# Allegro board parallella_layout.brd (continued)
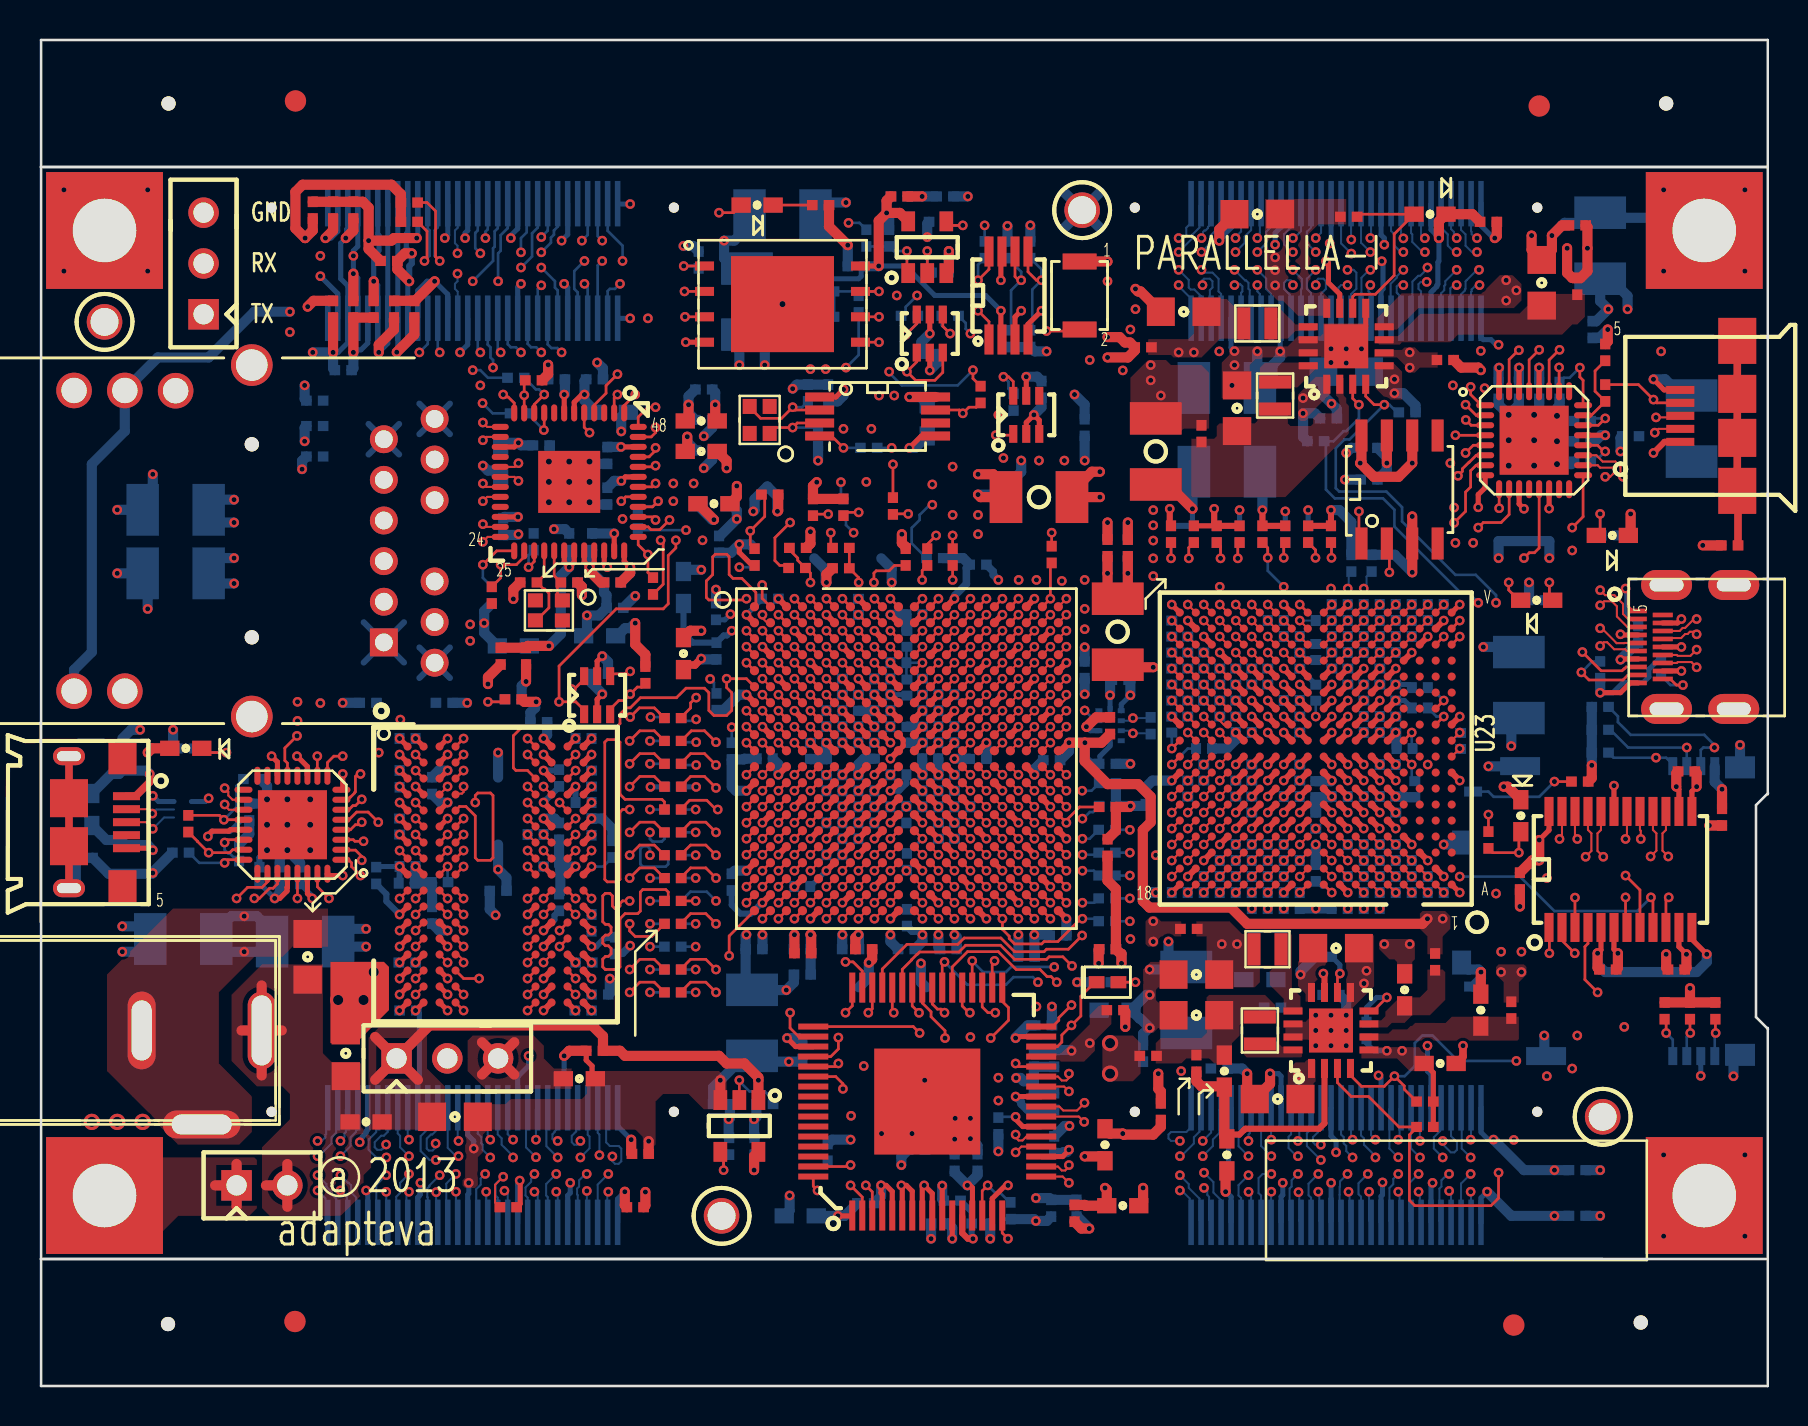
[diagram p0: board, top side]
## Copper pours and planes (outline as drawn; the poured copper is in the pictures) (continued)
1P0V_FLTR_PHY on L5_SIG: 32.69,48.82 31.55,48.82 31.17,49.2 30.53,49.2 30.28,48.95 27.49,48.95 26.85,49.58 26.85,49.83 26.6,50.09 25.96,50.09 25.71,49.83 25.71,48.06 27.23,46.53 27.23,43.74 28.76,42.21 28.76,40.82 28.63,40.69 27.99,40.69 27.87,40.82 27.87,41.2 25.71,43.36 25.71,46.02 24.31,47.42 24.31,49.96 25.07,50.72 25.58,50.72 25.96,51.1 30.03,51.1 30.66,50.47 30.66,50.42 31.04,50.04 32.18,50.04 32.82,49.4 32.82,48.95
1P8V on TOP: 55.81,23.5 56.06,23.24 57.08,23.24 57.08,22.48 56.06,22.48 55.93,22.35 55.93,22.1 55.81,21.97 55.43,21.97 55.3,22.1 55.3,23.24 55.55,23.5
1P8V on BOTTOM: 28.88,38.53 29.77,38.53 29.9,38.4 29.9,36.25 28.63,34.98 28.63,34.72 28.37,34.47 27.87,34.47 25.96,36.37 22.91,36.37 22.15,35.61 22.15,34.98 22.28,34.85 22.66,34.85 23.55,35.74 24.56,35.74 25.33,34.98 25.33,34.09 26.22,33.2 28.76,33.2 29.26,33.71 30.03,33.71 31.55,35.23 31.55,39.29 30.91,39.93 29.77,39.93 29.26,39.42 28.88,39.42
1P8V on L6_PWR: 68.38,45.26 69.52,44.12 75.57,44.12 75.75,43.94 75.75,35.81 72.32,35.81 72.32,32 73.33,30.99 75.75,30.99 75.75,20.7 75.11,20.07 65.97,20.07 65.97,21.59 65.59,21.97 62.28,21.97 62.28,7.11 39.04,7.11 39.04,11.56 40.19,12.7 41.07,12.7 42.34,11.43 43.36,11.43 43.74,11.05 49.33,11.05 49.46,11.18 57.08,11.18 57.2,11.3 57.2,12.45 57.33,12.57 57.33,13.34 57.84,13.84 57.84,18.29 56.06,20.07 56.06,20.7 55.43,21.34 55.43,24.26 56.06,24.89 57.58,24.89 58.47,25.78 58.47,37.47 56.63,39.31 55.3,39.31 55.3,45.26
1P8V on L7_PWR: 79.05,41.33 85.65,41.33 85.65,60.12 0.82,60.12 0.82,23.67 14.66,23.67 15.8,24.82 15.8,48.89 14.15,50.55 13.01,50.55 11.74,51.82 11.74,54.74 18.6,54.74 19.48,53.85 19.48,38.91 20.12,38.28 26.6,38.28 27.36,37.52 34.09,37.52 34.34,37.77 34.34,42.09 34.47,42.21 35.11,42.21 35.23,42.34 35.23,43.99 35.11,44.12 34.47,44.12 34.09,44.5 34.09,56.31 40.69,56.31 41.2,56.82 42.34,56.82 43.87,55.3 43.87,52.5 44.63,51.74 44.63,47.29 44.12,46.79 41.96,46.79 41.58,46.41 41.58,44.12 41.96,43.74 43.61,43.74 44,43.36 44,39.42 43.74,39.17 42.34,39.17 41.96,38.79 41.96,36.12 41.84,35.99 40.69,35.99 40.31,35.61 40.31,29.77 41.2,28.88 41.2,27.61 42.09,26.72 44.76,26.72 44.76,29.46 44.38,29.84 44.38,30.99 44,31.37 44,32.38 44.38,32.77 44.38,33.15 44,33.53 44,34.67 44.81,35.48 48.69,35.48 48.82,35.61 48.82,39.29 48.95,39.42 52.12,39.42 52.5,39.8 52.5,41.27 51.87,41.91 51.87,44.32 52.12,44.58 52.76,44.58 52.82,44.51 52.89,44.58 54.41,44.58 54.41,51.43 54.92,51.94 56.06,51.94 56.44,51.56 66.6,51.56 70.28,47.88 70.28,47.37 70.41,47.24 70.41,40.89 79.05,40.89
1P8V_FLTR_PHY on L5_SIG: 32.69,47.55 32.69,47.29 31.68,46.28 30.66,46.28 29.39,45.01 28.25,45.01 27.87,45.39 27.87,46.41 25.96,48.31 25.96,49.71 26.09,49.83 26.34,49.83 26.6,49.58 26.6,49.45 27.36,48.69 29.77,48.69 30.66,47.8 32.44,47.8
1P35V on L6_PWR: 16.56,52.5 42.29,52.5 42.34,52.45 43.49,52.45 44,52.96 49.84,52.96 50.6,53.72 55.04,53.72 55.04,50.04 50.09,50.04 43.13,43.08 43.08,43.08 41.58,41.58 41.58,36.37 39.68,36.37 39.17,35.86 39.17,26.54 38.03,25.4 38.03,24.82 37.52,24.31 34.6,24.31 33.58,23.29 33.58,18.54 27.36,18.54 26.98,18.92 18.85,18.92 18.34,18.41 17.71,18.41 17.71,50.29 16.56,51.43
1P35V on L7_PWR: 34.34,31.8 34.09,32.05 34.09,32.44 34.34,32.69 34.34,35.1 16.18,35.1 16.18,24.43 15.04,23.29 0.82,23.29 0.82,7.16 34.47,7.16 34.34,7.29
2P5V on TOP: 69.4,22.48 69.4,21.59 70.16,21.59 70.16,22.48 70.54,22.86 70.54,23.5 70.28,23.75 69.14,23.75 69.01,23.62 69.01,22.86
2P5V on BOTTOM: 50.85,45.72 50.85,43.18 52,42.04 54.66,42.04 54.66,43.43 54.28,43.81 52.76,43.81 52.5,44.07 52.5,45.72
2P5V on L7_PWR: 57.2,44.07 57.2,37.59 57.46,37.34 58.35,37.34 58.85,36.83 58.85,33.91 60,33.91 60,29.34 55.43,29.34 55.43,29.72 52.76,29.72 52.76,29.46 45.14,29.46 45.14,29.59 44.63,30.1 44.63,31.24 44.25,31.62 44.25,32.26 44.63,32.64 44.63,33.27 44.25,33.66 44.25,34.54 44.93,35.23 49.2,35.23 49.2,39.17 52.5,39.17 52.89,39.55 52.89,41.53 52.25,42.16 52.25,43.94 52.5,44.2 55.3,44.2 55.43,44.07
2P5V on L10_SIG: 13.77,55.12 13.52,55.37 13.52,58.17 14.15,58.8 28.25,58.8 30.03,57.02 41.2,57.02 45.9,52.32 48.69,52.32 51.74,49.28 53.77,49.28 53.84,49.21 55.11,49.21 55.43,48.89 55.43,44.2 54.92,43.69 54.92,43.31 54.54,42.93 53.27,42.93 53.14,43.05 53.14,43.94 53.65,44.45 53.65,46.86 53.39,47.12 52.5,47.12 52.38,46.99 48.31,46.99 47.42,47.88 47.04,47.88 46.41,48.51 44.88,48.51 44.38,49.02 44,49.02 42.73,50.29 42.73,50.93 42.6,51.05 41.84,51.05 39.3,53.59 31.04,53.59 30.79,53.85 25.33,53.85 22.28,56.9 17.71,56.9 15.93,55.12
3P3V on TOP: 73.21,20.19 73.21,19.18 73.97,19.18 73.97,20.19 74.35,20.57 74.35,20.95 74.22,21.08 72.95,21.08 72.82,20.95 72.82,20.57
3P3V on BOTTOM: 14.02,60.07 14.53,60.07 14.53,58.17 13.9,58.17 13.52,57.78 13.52,54.74 13.9,54.36 14.53,54.36 14.53,52.45 12.37,52.45 12.12,52.7 12.12,57.91 13.39,59.18 13.39,59.44
3P3V on L7_PWR: 73.97,27.94 73.97,31.5 72.95,31.5 72.95,40.51 79.43,40.51 79.43,41.07 85.65,41.07 85.65,7.16 34.8,7.16 34.72,7.24 34.72,35.23 34.47,35.48 22.79,35.48 22.66,35.36 22.15,35.36 22.02,35.48 16.18,35.48 16.18,49.28 14.4,51.05 13.13,51.05 12.12,52.07 12.12,54.23 12.17,54.28 18.21,54.28 19.1,53.39 19.1,38.15 19.36,37.9 26.34,37.9 26.98,37.26 34.34,37.26 34.72,37.64 34.72,41.96 35.36,41.96 35.49,42.09 35.49,44.12 35.23,44.37 34.72,44.37 34.6,44.5 34.6,45.26 34.47,45.39 34.47,55.8 40.82,55.8 41.46,56.44 42.22,56.44 43.11,55.55 43.11,54.15 43.49,53.77 43.49,52.12 44.25,51.36 44.25,47.29 44,47.04 41.58,47.04 41.2,46.66 41.2,43.99 41.84,43.36 43.49,43.36 43.74,43.1 43.74,40.82 43.61,40.69 43.61,39.55 43.49,39.42 41.96,39.42 41.58,39.04 41.58,36.25 40.19,36.25 40.06,36.12 40.06,29.64 40.69,29.01 40.69,27.61 40.06,26.97 40.06,25.83 39.17,24.94 39.17,21.01 39.8,20.37 48.31,20.37 48.82,20.88 52.25,20.88 52.63,20.5 53.77,20.5 53.82,20.45 54.66,20.45 56.57,18.54 71.3,18.54 72.7,19.94 72.7,21.21 74.6,21.21 75.62,22.23 75.62,27.94
3P3V on L8_SIG: 39.04,29.9 39.42,30.28 43.11,30.28 43.87,29.51 43.87,25.96 43.49,25.58 43.11,25.58 42.85,25.83 42.85,28.24 42.6,28.5 39.17,28.5 39.04,28.63
5P0V on TOP: 16.44,17.91 16.44,12.83 20.25,12.83 20.25,14.99 19.36,15.88 19.36,17.91
5P0V_IN on TOP: 14.66,16.13 14.15,16.64 14.15,21.08 11.1,21.08 9.58,19.56 9.58,16.26 10.85,14.99 12.12,14.99 12.5,14.61 12.5,13.34 11.1,11.94 11.1,8.89 11.48,8.51 15.04,8.51 16.18,9.65 16.18,10.54 16.56,10.92 16.56,12.45 16.06,12.95 16.06,16.13
HDMI_AVDD on L3_SIG: 48.06,9.83 48.82,9.07 50.22,9.07 50.6,9.45 50.6,10.85 51.11,11.35 51.74,11.35 52,11.1 52.5,11.1 52.76,11.35 52.76,12.24 52.38,12.62 51.23,12.62 50.85,13 50.85,14.15 50.22,14.78 48.69,14.78 48.44,14.53 48.44,14.02 48.69,13.77 48.95,13.77 49.2,13.51 49.2,11.48 48.06,10.34
HDMI_BGVDD on BOTTOM: 44,13.84 44,12.95 43.97,12.98 43.97,11.18 44.6,10.54 45.37,10.54 46.13,9.78 46.66,9.78 47.14,10.26 47.14,11.05 45.27,11.05 45.11,11.2 45.11,13.84
HDMI_DVDD on BOTTOM: 38.38,8.13 40.41,8.13 41.05,8.76 41.05,9.4 40.54,9.4 40.16,9.78 40.16,11.56 39.04,11.56 38.85,11.75 38.85,12.56 40.19,13.89 41.33,13.89 41.71,14.27 47.47,14.27 48.06,14.86 48.06,16.18 49.33,17.45 50.09,17.45 50.09,18.34 48.69,18.34 48.19,17.83 48.19,17.78 47.93,17.53 47.93,17.14 47.17,16.38 47.17,15.24 46.97,15.04 41.71,15.04 41.67,15.07 41.49,15.07 40.64,15.93 40.06,15.93 39.8,16.18 39.8,16.75 38.79,17.77 37.26,17.77 37.01,17.51 37.01,17.2 37.26,16.94 38.47,16.94 38.66,16.75 38.66,15.74 37.58,14.66 37.58,10.91 37.9,10.59 37.9,9.7 38.38,9.22
HDMI_PVDD on L8_SIG: 53.65,10.29 52.38,10.29 51.36,9.27 46.79,9.27 46.28,8.76 46.28,7.24 46.41,7.11 46.92,7.11 47.17,7.37 47.17,7.62 47.3,7.75 48.57,7.75 48.82,7.49 51.74,7.49 53.9,9.65 53.9,10.03
P0_VBUS on BOTTOM: 68.38,46.41 69.65,46.41 70.79,45.26 71.05,45.52 71.05,45.47 72.44,46.86 73.33,46.86 74.6,48.13 76.13,48.13 76.25,48.26 76.25,48.39 76.38,48.51 76.89,48.51 76.89,48.01 76.63,47.75 75.75,47.75 75.36,47.37 75.36,45.72 75.62,45.47 77.4,45.47 77.9,44.96 79.43,44.96 79.68,45.21 79.68,47.75 80.32,47.75 80.32,47.37 80.7,46.99 83.87,46.99 83.87,45.34 83.62,45.34 80.57,42.29 78.67,42.29 78.67,42.8 79.56,42.8 80.06,43.31 80.06,43.81 79.94,43.94 76.51,43.94 76.13,44.32 69.32,44.32 68.38,45.26
SYS_5P0V on TOP: 68.94,53.9 73.71,53.9 74.09,54.28 74.09,55.11 73.65,55.55 73.01,55.55 72.07,54.61 69.52,54.61 69.5,54.64 68.1,54.64 66.86,53.39 66.86,52.88 66.91,52.83 67.87,52.83
SYS_5P0V on TOP: 63.68,19.23 63.68,20.12 64.32,20.75 64.32,22.48 63.05,22.48 63.05,21.34 62.92,21.21 62.92,19.99 63.3,19.61 63.3,19.23
SYS_5P0V on TOP: 63.81,16.31 63.81,15.24 63.68,15.11 63.68,13.72 62.41,13.72 62.41,15.77 62.66,16.03 62.66,16.05 62.79,16.18 63.24,16.18 63.36,16.31
SYS_5P0V on TOP: 64.57,50.47 63.81,50.47 62.92,49.58 62.92,48.39 63.05,48.26 63.3,48.26 63.43,48.39 63.43,48.51 64.57,49.66
SYS_5P0V on TOP: 66.79,51.17 66.79,49.9 67.36,49.33 68.13,49.33 68.13,50.72 67.68,51.17
SYS_5P0V on TOP: 66.09,16.94 66.09,16.38 67.87,16.38 68.51,15.75 69.65,15.75 69.65,16.51 69.4,16.51 68.96,16.94
SYS_5P0V on TOP: 65.33,58.09 65.33,59.36 61.27,59.36 61.27,54.91 61.9,54.28 62.16,54.28 62.92,53.52 64.44,53.52 64.44,54.41 63.55,55.3 63.55,57.71 63.93,58.09
SYS_5P0V on L6_PWR: 13.01,7.16 13.01,15.37 11.1,17.27 11.1,35.81 8.05,38.86 8.05,44.12 12.12,48.18 12.12,51.23 13.77,52.88 42.47,52.88 42.52,52.83 43.11,52.83 43.61,53.34 49.58,53.34 50.27,54.03 55.43,54.03 55.43,45.72 55.63,45.52 68.51,45.52 69.52,44.5 75.87,44.5 76.13,44.25 76.13,35.56 72.57,35.56 72.57,32.26 73.59,31.24 76,31.24 76,30.66 76.13,30.53 76.13,20.45 75.49,19.81 65.59,19.81 65.59,21.21 62.66,21.21 62.66,7.16 85.65,7.16 85.65,60.12 0.82,60.12 0.82,7.16
SYS_5P0V on L10_SIG: 20.63,17.78 13.39,17.78 11.86,16.26 2.59,16.26 1.96,15.62 1.96,12.57 2.21,12.32 5.01,12.32 6.53,10.79 16.06,10.79 18.21,12.95 19.74,12.95 21.26,14.48 21.26,17.14
USB_VBUS on TOP: 21.39,17.27 21.39,15.75 22.28,14.86 26.6,14.86 26.6,15.88 25.71,15.88 25.2,16.38 25.2,17.02 24.69,17.53 21.64,17.53
USB_VBUS on L8_SIG: 12.91,7.77 12.37,8.31 10.4,8.31 9.36,9.35 9.36,9.86 8.5,10.72 8.5,10.78 8.24,11.04 8.24,13.21 4.63,16.83 4.63,32.88 4.88,33.13 7.23,33.13 8.31,32.05 8.31,28.18 9.01,27.48 9.01,24.38 11.23,22.16 11.23,21.97 14.79,18.41 16.56,18.41 17.2,17.78 22.91,17.78 23.93,16.76 23.93,15.37 22.28,13.72 20.37,13.72 19.48,12.83 19.48,10.92 19.87,10.54 19.87,8.38 18.72,7.24 13.13,7.24 12.88,7.49 12.91,7.52
ZYNQ_VCCPLL on L8_SIG: 33.52,43.55 34.28,43.55 34.72,43.1 34.72,40.88 35.29,40.44 36.31,39.42 36.31,39.1 40.5,34.91 40.95,34.91 41.2,34.66 41.2,34.28 40.76,33.83 40.19,33.83 35.17,38.85 34.91,38.85 33.39,40.37 33.39,43.42
N20734865 on L6_PWR: 34.22,38.15 33.84,37.77 33.84,34.34 33.07,33.58 33.07,30.66 33.58,30.15 34.09,30.15 34.98,31.04 42.85,31.04 42.98,31.17 42.98,31.67 42.85,31.8 35.36,31.8 34.34,32.82 34.34,33.32 34.85,33.83 34.85,37.26 35.11,37.52 35.11,37.9 34.85,38.15
N20927995 on BOTTOM: 13.87,49.66 20.22,49.66 20.86,49.02 20.86,47.5 20.47,47.12 20.35,47.12 20.22,47.24 19.46,47.24 18.32,46.1 16.54,46.1 16.03,45.59 16.03,39.12 16.66,38.48 18.32,38.48 19.33,37.47 20.47,37.47 20.98,36.96 20.98,35.56 20.35,34.92 20.22,34.92 20.09,34.8 20.09,33.91 16.54,33.91 16.54,34.92 16.16,35.31 14,35.31 13.24,36.07 13.24,45.34 13.87,45.97
N22934179 on TOP: 62.11,16.97 61.67,17.4 60.23,17.4 60.23,16.56 60.35,16.43 63.07,16.43 63.12,16.48 63.12,16.97
N22939905 on TOP: 55.81,16.13 57.08,16.13 57.33,16.38 58.47,16.38 58.73,16.13 59.62,16.13 59.62,17.14 60,17.53 60,18.03 60.12,18.16 61.78,18.16 61.78,19.05 61.27,19.56 58.47,19.56 58.35,19.43 58.35,17.65 58.09,17.4 56.06,17.4 55.81,17.14
N22955654 on TOP: 65.2,49.53 65.2,50.42 64.82,50.42 64.82,49.53 64.95,49.4 64.95,48.89 64.7,48.64 63.93,48.64 63.68,48.39 63.68,48.13 63.55,48.01 62.54,48.01 62.41,48.13 62.41,49.15 60.89,49.15 60.89,48.26 60.76,48.13 58.98,48.13 58.85,48.01 58.85,47.5 58.73,47.37 57.58,47.37 57.58,44.45 62.28,44.45 65.46,47.62 65.46,49.02 65.33,49.15 65.33,49.4
N22955725 on TOP: 60.51,53.9 60.51,52.37 59.11,52.37 59.08,52.35 59.01,52.35 58.09,51.43 56.7,51.43 56.57,51.56 55.43,51.56 55.43,52.35 57.43,52.35 57.71,52.63 57.71,54.36 59.36,54.36 59.82,53.9
N22955745 on TOP: 63.81,52.76 63.81,53.09 62.79,53.09 61.98,53.9 61.27,53.9 61.27,52.37 62.41,52.37 62.79,52.76
N22955797 on TOP: 63.81,51.1 63.73,51.1 63.81,51.18 61.27,51.18 61.01,50.93 61.01,49.91 61.04,49.94 62.89,49.94 63.81,50.85
N22979034 on TOP: 73.89,17.27 66.02,17.27 66.02,17.63 67.44,17.63 67.64,17.83 68.38,17.83 68.56,18.01 68.63,18.01 68.79,18.16 69.78,18.16 69.79,18.15 70.3,18.15 70.61,18.47 73.97,18.47 73.97,17.35
N22979674 on TOP: 67.39,17.93 66.02,17.93 66.02,18.29 67.08,18.29 67.29,18.49 67.29,18.72 67.9,19.33 67.9,19.43 69.01,19.43 69.4,19.81 69.4,20.83 70.16,20.83 70.28,20.7 70.28,19.3 69.52,18.54 68.63,18.54 68.25,18.16 67.62,18.16
N23028604 on TOP: 68.43,50.67 68.4,50.7 68.4,50.9 67.87,51.43 66.73,51.43 66.73,51.82 68.13,51.82 68.25,51.94 68.76,51.94 69.01,51.69 69.9,51.69 69.9,50.93 69.01,50.93 68.76,50.67
N23028604 on BOTTOM: 67.74,51.94 68.63,51.94 68.76,51.82 68.76,50.8 68.51,50.55 68.13,50.55 68,50.67 67.49,50.67 67.36,50.55 67.36,50.16 67.24,50.04 66.98,50.04 66.79,49.85 66.73,49.91 66.73,50.04 65.84,50.04 65.84,51.43 67.24,51.43
N23029208 on TOP: 66.86,52.5 67.92,52.5 69.04,53.62 70.26,53.62 70.28,53.64 74.02,53.64 74.48,54.1 74.48,54.61 77.27,54.61 77.27,53.47 76.89,53.09 76.63,53.09 76.13,52.58 70.92,52.58 70.54,52.2 68.13,52.2 68,52.07 66.98,52.07 66.86,52.2
N23204370 on TOP: 5.9,6.73 0.43,6.73 0.43,12.32 6.02,12.32 6.02,11.43 10.72,11.43 10.85,11.3 10.85,8.89 10.47,8.51 6.91,8.51 6.02,7.62 6.02,6.86
N23924961 on TOP: 53.58,19.04 53.58,18.1 52.76,17.27 52.76,16.76 52.21,16.22 51.07,16.22 50.98,16.31 49.58,16.31 49.58,16.62 51.04,16.62 52.5,18.08 52.5,18.54 53,19.04
N23924961 on BOTTOM: 51.49,16.38 52.76,16.38 53.14,16.76 53.14,17.4 53.39,17.65 53.39,19.18 52.38,19.18 52,18.8 52,17.78 51.23,17.02 51.23,16.64
N25830704 on BOTTOM: 62.41,20.7 62.54,20.57 62.54,20.19 62.66,20.07 63.3,20.07 64.06,20.83 64.32,20.83 64.44,20.7 64.44,20.07 64.32,19.94 64.32,19.3 63.3,19.3 62.66,18.67 61.9,18.67 61.9,19.3 61.39,19.81 61.39,20.7
N25830712 on TOP: 57.84,22.48 58.35,22.48 58.35,19.94 60.76,19.94 61.01,20.19 61.01,22.61 60.12,22.61 59.49,23.24 57.84,23.24
N25830712 on BOTTOM: 60,22.48 59.11,22.48 58.85,22.23 58.85,19.05 59.24,18.67 61.39,18.67 61.39,19.18 60,19.18 59.49,19.69 59.49,19.81 59.62,19.94 60.63,19.94 60.63,20.7 59.62,20.7 59.49,20.83 59.49,20.95 60.12,21.59 60.12,22.35
N25830793 on TOP: 63.12,18.64 63.12,19.41 62.61,19.91 62.61,22.56 62.54,22.63 61.75,22.63 61.75,20.98 61.5,20.73 61.5,20.07 62.21,19.35 62.21,18.62 63.1,18.62

## Text on the board
BOTTOM: LAYER 12 SOLDER SIDE
Board Geometry/Soldermask Bottom: SOLDERMASK BOTTOM
Ref Des/Silkscreen Bottom: SILK SCREEN BOTTOM
User.Comments: FOR MANUFACTURE OR THE SALES OF APARATUS | THIS DRAWING AND SPECS ARE THE PROPERTY | OF ADAPTEVA AND SHALL NOT | BE REPRODUCED, COPIED OR USED AS THE BASIS | ADAPTEVA. | WITHOUT EXPRESS WRITTEN AUTHORIZATION FROM | ADAPTEVA PROPIETARY AND CONFIDENTIAL | XXXXXXXXXXXXX | XXXXXXXXXXXXXXX | TEL: XXXXXXXXXXXX
TOP: LAYER 1   PRIMARY SIDE
Board Geometry/Soldermask Top: SOLDER MASK TOP
Ref Des/Silkscreen Top: GND | RX | TX | adapteva | a 2013 | SILK SCREEN TOP | PARALLELLA-I
L2_GND: LAYER 2    GROUND PLANE
L3_SIG: LAYER 3 SIGNAL
L4_GND: LAYER 4 GND
L5_SIG: LAYER 5 SIGNAL
L6_PWR: LAYER 6 PWR
L7_PWR: LAYER 9 PWR
L8_SIG: LAYER 8 SIGNAL
L9_GND: LAYER 9 GND
L10_SIG: LAYER 10 SIGNAL
L11_GND: LAYER 11 GND PLANE
DIMENSION: REFERENCE | .063 | 15 DEGREE | ANGLE | PCB | 30 DEGREE | 0.014 | SEE SCORE DETAIL | MAY BE DRILLED AT .020" | SCALE: NONE | SCORE DETAIL
DISPLAY_BOTTOM: XXXXXXXXXXXX. | PARALLELLA-I BOARD | ADAPTEVA
User.6: SOLDER PASTE TOP
User.7: SOLDER PASTE BOTTOM
User.19: FOR MANUFACTURE OR THE SALES OF APARATUS | THIS DRAWING AND SPECS ARE THE PROPERTY | OF ADAPTEVA SYSTEMS INC. AND SHALL NOT | BE REPRODUCED, COPIED OR USED AS THE BASIS | ADAPTEVA SYSTEMS INC. | WITHOUT EXPRESS WRITTEN AUTHORIZATION FROM | ADAPTEVA PROPIETARY AND CONFIDENTIAL | XXXXXXXXXXXXX | XXXXXXXXXXXXXXX | TEL: XXXXXXXXXXXX | DRAWN | CHKD | DESIGN | ENG | APPROVED | APPROVALS | SIZE | SCALE | DRAWING NO. | NONE | DR CODE | SHEET 2 OF 2 | BDS | DATE | 02/22/12 | ADAPTEVA | REV | FAB DRAWING | PARALLELA-I BOARD | XXXXX | A
User.21: BOARD OUTLINE
User.22: PLUG LAYER BOTTOM
User.26: FAB DRAWING | 1
User.45: 9805-14066-002 | 370H | LAYER 10 SIGNAL | LAYER 11 PLANE | LAYER 2 PLANE | LAYER 3 SIGNAL | LAYER 4 PLANEL | LAYER 5 SIGNAL | LAYER 6 PLANE | LAYER 9 PLANE | LAYER 7 SIGNAL | LAYER 8 PLANE | SOLDER SIDE | SOLDER SIDE SOLDERMASK | SOLDER SIDE SILKSCREEN | COMPONENT SIDE SILKSCREEN | COMPONENT SIDE SOLDERMASK | COMPONENT SIDE | .005 | .0037 | .0049 | .0035 | .5 OZ CU | .5 OZ CU (1.5 OZ CU FINISH) | 1.0 OZ CU | INCLUDING MASK | AND PLATING | +/- 10% | .062 | ASSEMBLY DRAWING | 1 | FIGURE | SIZE | 10.0 | 12.0 | 20.0 | 35.0 | 40.0 | 50.0 | 55.0 | 62.0 | 125.0 | 128.0 | 47.24x19.69 | 66.93x25.59 | 118.11x39.37 | 137.8x39.37 | DRILL CHART: TOP to BOTTOM | ALL UNITS ARE IN MILS | TOLERANCE | +0.0/-10.0 | +0.0/-12.0 | +3.0/-3.0 | +5.0/-0.0 | +5.0/-5.0 | PLATED | NON-PLATED | QTY | 1810 | 28 | 8 | 12 | 5 | 4 | 2 | 13. FINISH:              IMMERSION GOLD COATING (2-7 MICRO-INCHES) OVER NICKEL (MINIMMUM | 10. TOOLING HOLES MUST BE PRIMARY DRILLED AT THE SAME TIME AS PLATED-THRU HOLES. ALL HOLES MUST BE WITIN | 11. DIMENSIONAL TOLERANCES ON THE PCB ARE AS FOLLOWS UNLESS OTHERWISE SPECIFIED; | 19. IMPEDANCE:          MINOR MODIFICATION TO ARTWORK ALLOWED TO MEET IMPEDANCE | REQUIREMENTS | 16. THEIVING OF OUTER LAYERS IS ACCEPTABLE AS LONG AS THE COPPER IS KEPT A MINIMUM OF .200" FROM | 12. PADS MUST BE FINISHED TO WITHIN +/-.0015" OF THE MINOR DIMENSION (PAD WIDTH) & +/-.002" | 14. GLOBAL AND LOCAL FIDUCIALS MUST BE FREE OF ANY MARKINGS. | 15. REMOVAL ON NON-FUNCTIONAL PADS ON INNER LAYERS ALLOWED. | 18. PRIOR TO BOARD FABRICATION, COMPARE GERBER DATA TO SUPPLIED IPC-D-356 NETLIST. | 22. TEARDROPS:          TEARDROPS MAY BE ADDED BY VENDOR TO IMPROVE MANUFACTURING. | 17. ELECTRICAL TEST:    FINISHED PCB TO BE SUBJECT TO 100% CONTINUITY AND | TAKE PRECEDENCE. | IF DISCREPENCIES EXIST BETWEEN "BOARD_OUTLINE.ART" AND FAB DWG. "BOARD_OUTLINE.ART" | 20. DIMENSIONS:         VENDOR TO USE SUPPLIED FILM FILE "BOARD_OUTLINE.ART" FOR MISSING DIMENSIONS. | 21. VIA PLUGGING:       VENDOR TO PLUG ALL VIAS .012 INCHES AND SMALLER USING NON-CONDUCTIVE EPOXY | 4. MATERIAL: FR4 370H | 6. SILKSCREEN NOMENCLATURE TO BE WHITE NON-CONDUCTIVE INK AND NOT COVER ANY PORTION OF A | 5. PLATED THRU HOLES TO HAVE COPPER WALL THICKNESS NOT LESS THAN 0.002". THICKNESS TO BE DETERMINED | NOTES: | 1. LATEST VERSION OF ALL REFERENCED SPECIFICATIONS TO BE USED UNLESS OTHERWISE SPECIFIED. | 2. FABRICATE IN ACCORDANCE WITH IPC-A-600, CLASS 2 UNLESS OTHERWISE SPECIFIED. | 3. | 3. INSPECT IN ACCORDANCE WITH IPC-6012, CLASS 2, UNLESS OTHERWISE SPECIFIED. | 7. UL LOGO, DATE CODE AND VENDOR CODE MUST APPEAR IN ETCH ON PRIMARY SIDE . SECONDARY SIDE IS | 9. SOLDER MASK SHALL BE CAPABLE OF FIVE SOLDER EXPOSURES AT 500 DEGRESS F. | 8. USE LPI SOLDER MASK OVER BARE COPPER PER SUPPLIED ARTWORK PER IPC-SM-840, CLASS 2, | .003" OF RADIAL TRUE POSITION. | COMPONENT PAD. FABRICATOR TO CLIP ANY NON-CONFORMING SILKSCREEN NOMENCLATURE. | FINISHED BOARD MUST MEET UL94V-0. THICKNESS TO BE .062" - SEE LAYER DETAIL. | ACCEPTABLE IF THERE IS NO ROOM ON PRIMARY SIDE. | BY IPC-6012, CLASS 2. | OF THE MAJOR DIMENSION (PAD LENGTH) | ANY DESIGN FEATURE UNLESS OTHERWISE SPECIFIED. | REPORT ALL DISCREPANCIES. | COLOR - BLUE. FINISH - ENIG. | HOLE TO HOLE +/-.005" | EDGE TO EDGE +/-.010" | HOLE TO EDGE +/-.010" | ISOLATION ELECTRICAL TEST AT 100V MINIMUM. TEST FIXTURES TO | BE GENERATED FROM IPC-D-356 FORMATTED NET LIST DATA CROSS- | REFERENCED TO GERBER EXTRACTED NET LIST DATA. | 100 MICRO-INCHES) PER IPC-4552. | 5.25 MIL LINES ON LAYER 1 AND 12 TO YEILD 50 OHMS +/- 10%. | 3.75 MIL LINES WITH 8.25 MIL SPACE TO YEILD 100 OHMS DIFFERENTIAL | +/- 10% ON LAYERS 3, 5, 8 AND 10. | 4.25 MIL LINE ON LAYER 3, 5, 8 AND 10 TO YEILD 50 OHMS +/- 10 %. | AND OVERPLATE WITH COPPER, .0005 INCHES MINIMUM, PRIOR TO APPLICATION OF SOLDERMASK. | LAYER DETAIL | VIEWED FROM COMPONENT SIDE | 1. WORKMANSHIP TO CONFORM TO IPC-A-610 CLASS 2. | 2. FOLLOW SILKSCREEN OUTLINE FOR COMPONENT ORIENTATION. | VIEWED FROM SOLDER SIDE
